# KiCad board frankenso.kicad_pcb
title: Frankenso; rev: R.04; company: http://rusefi.com/
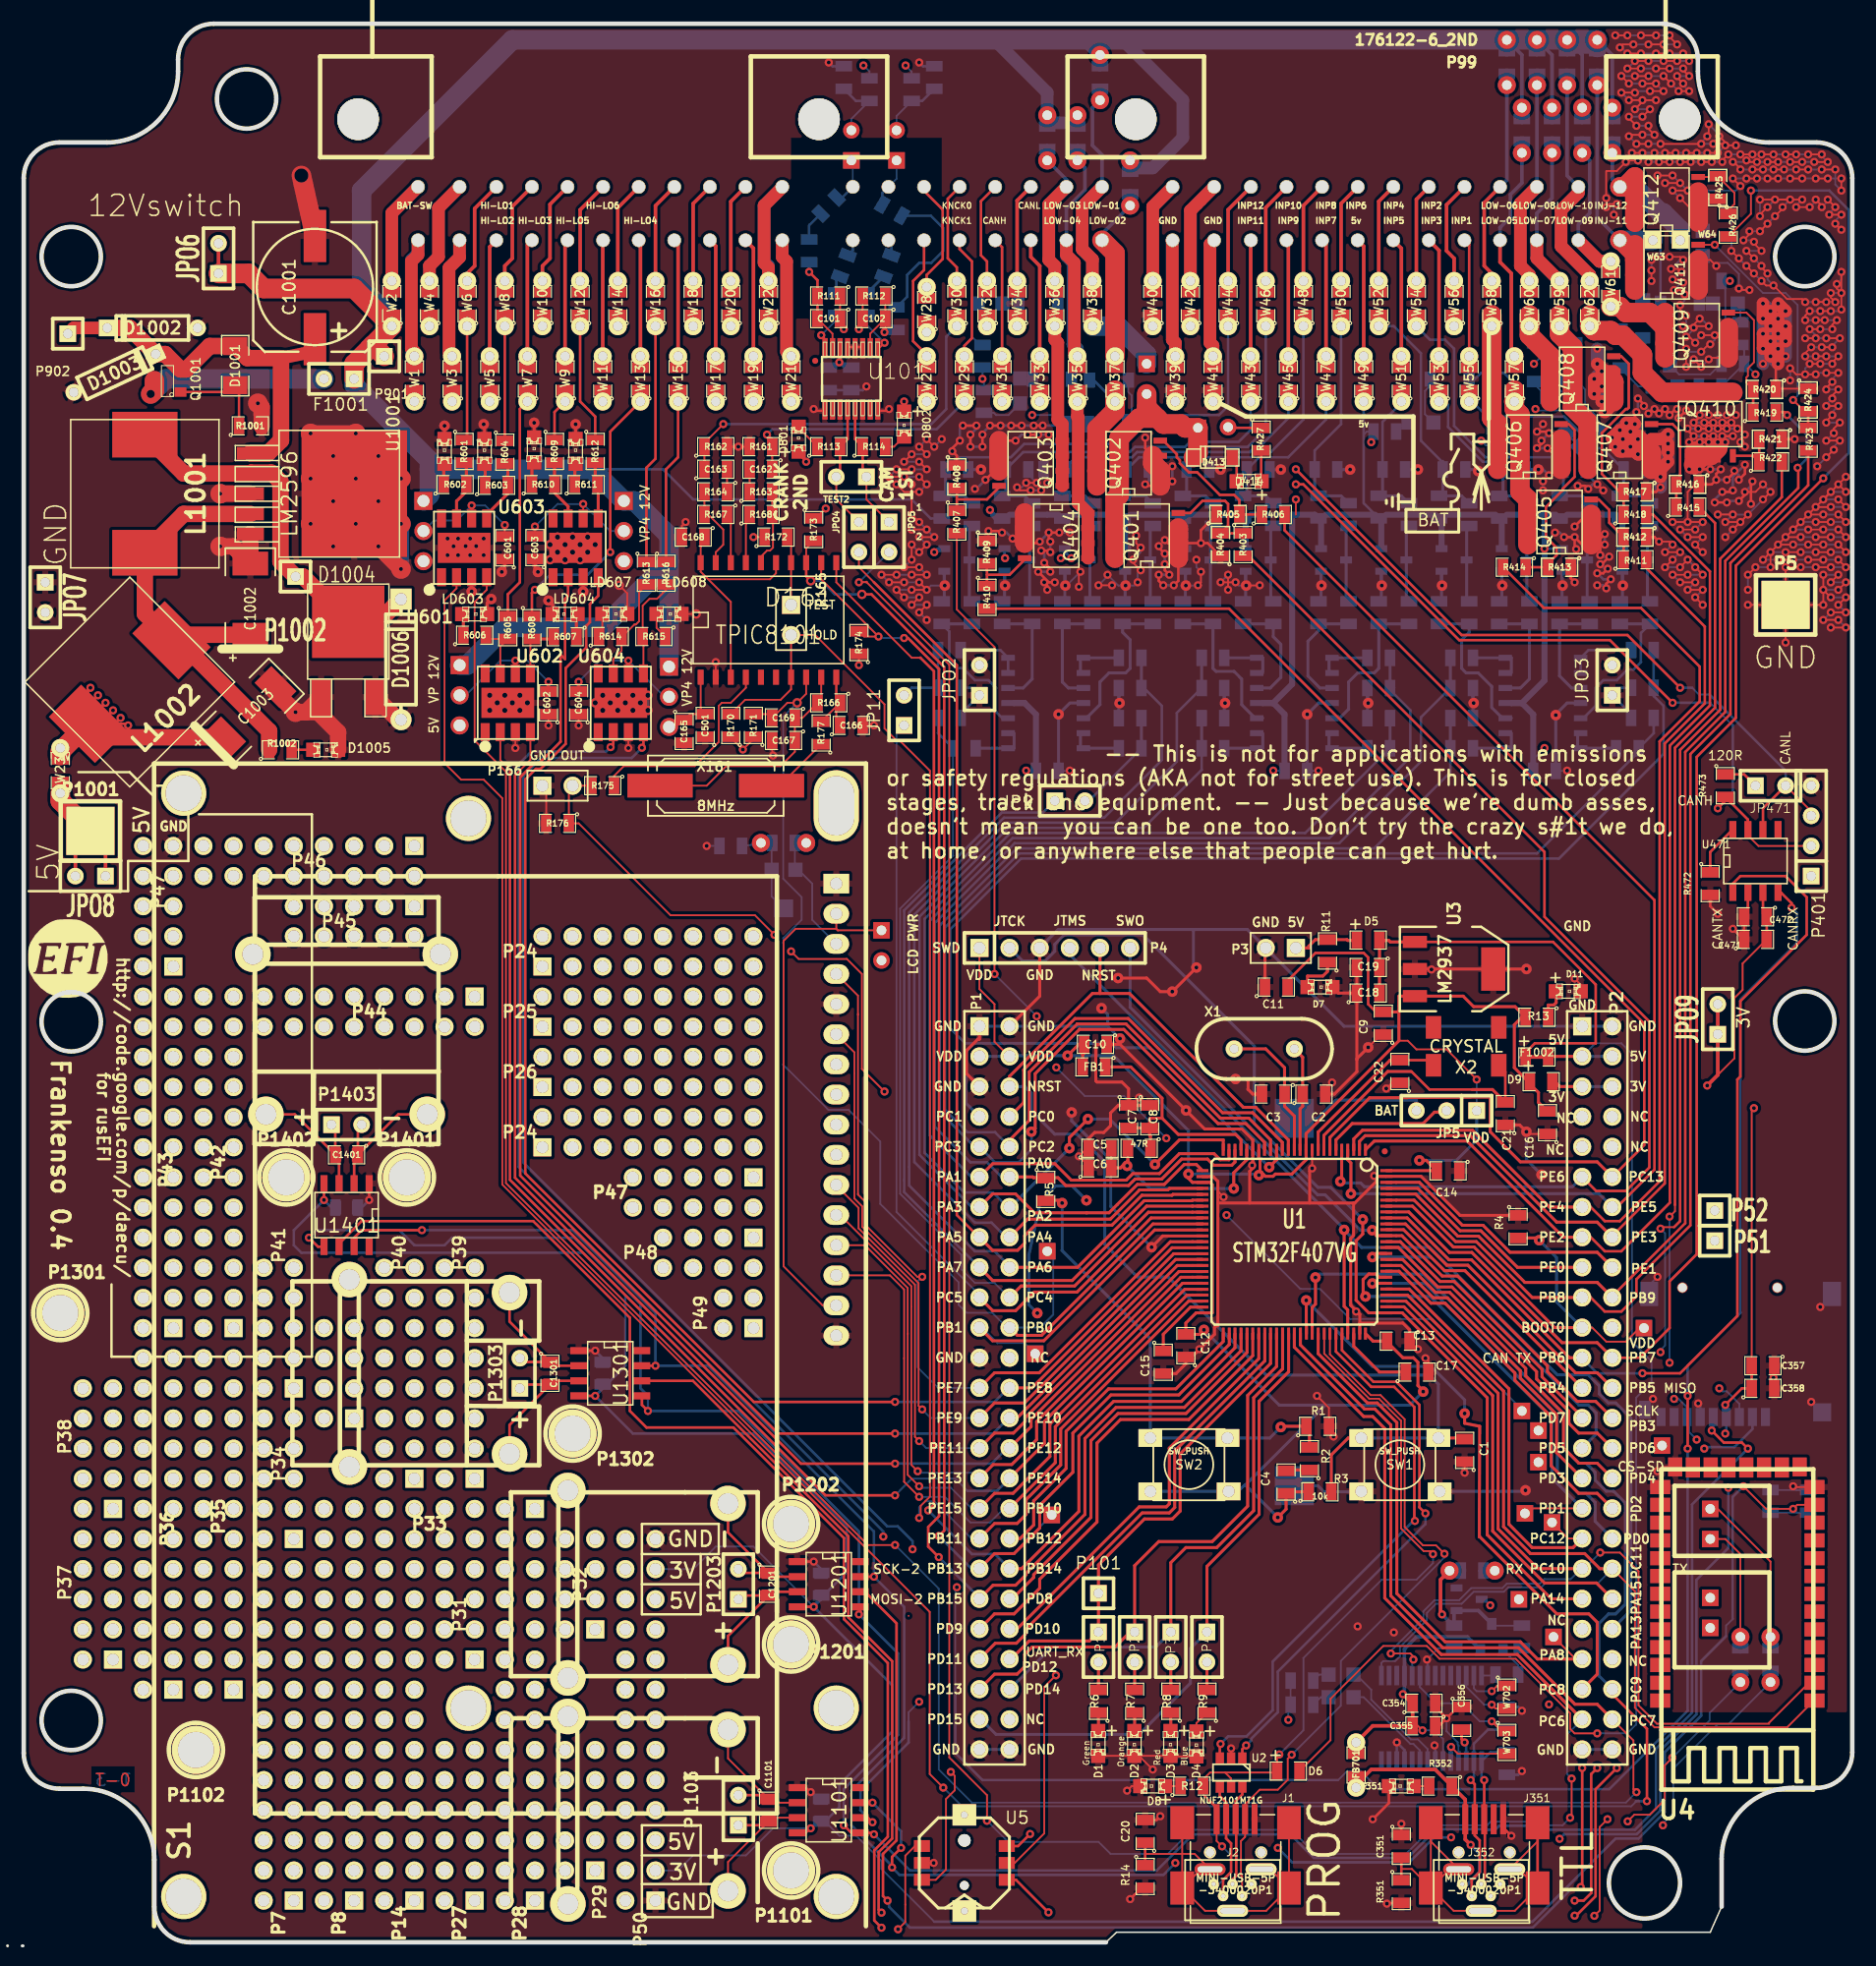
[diagram p0: board, top side]
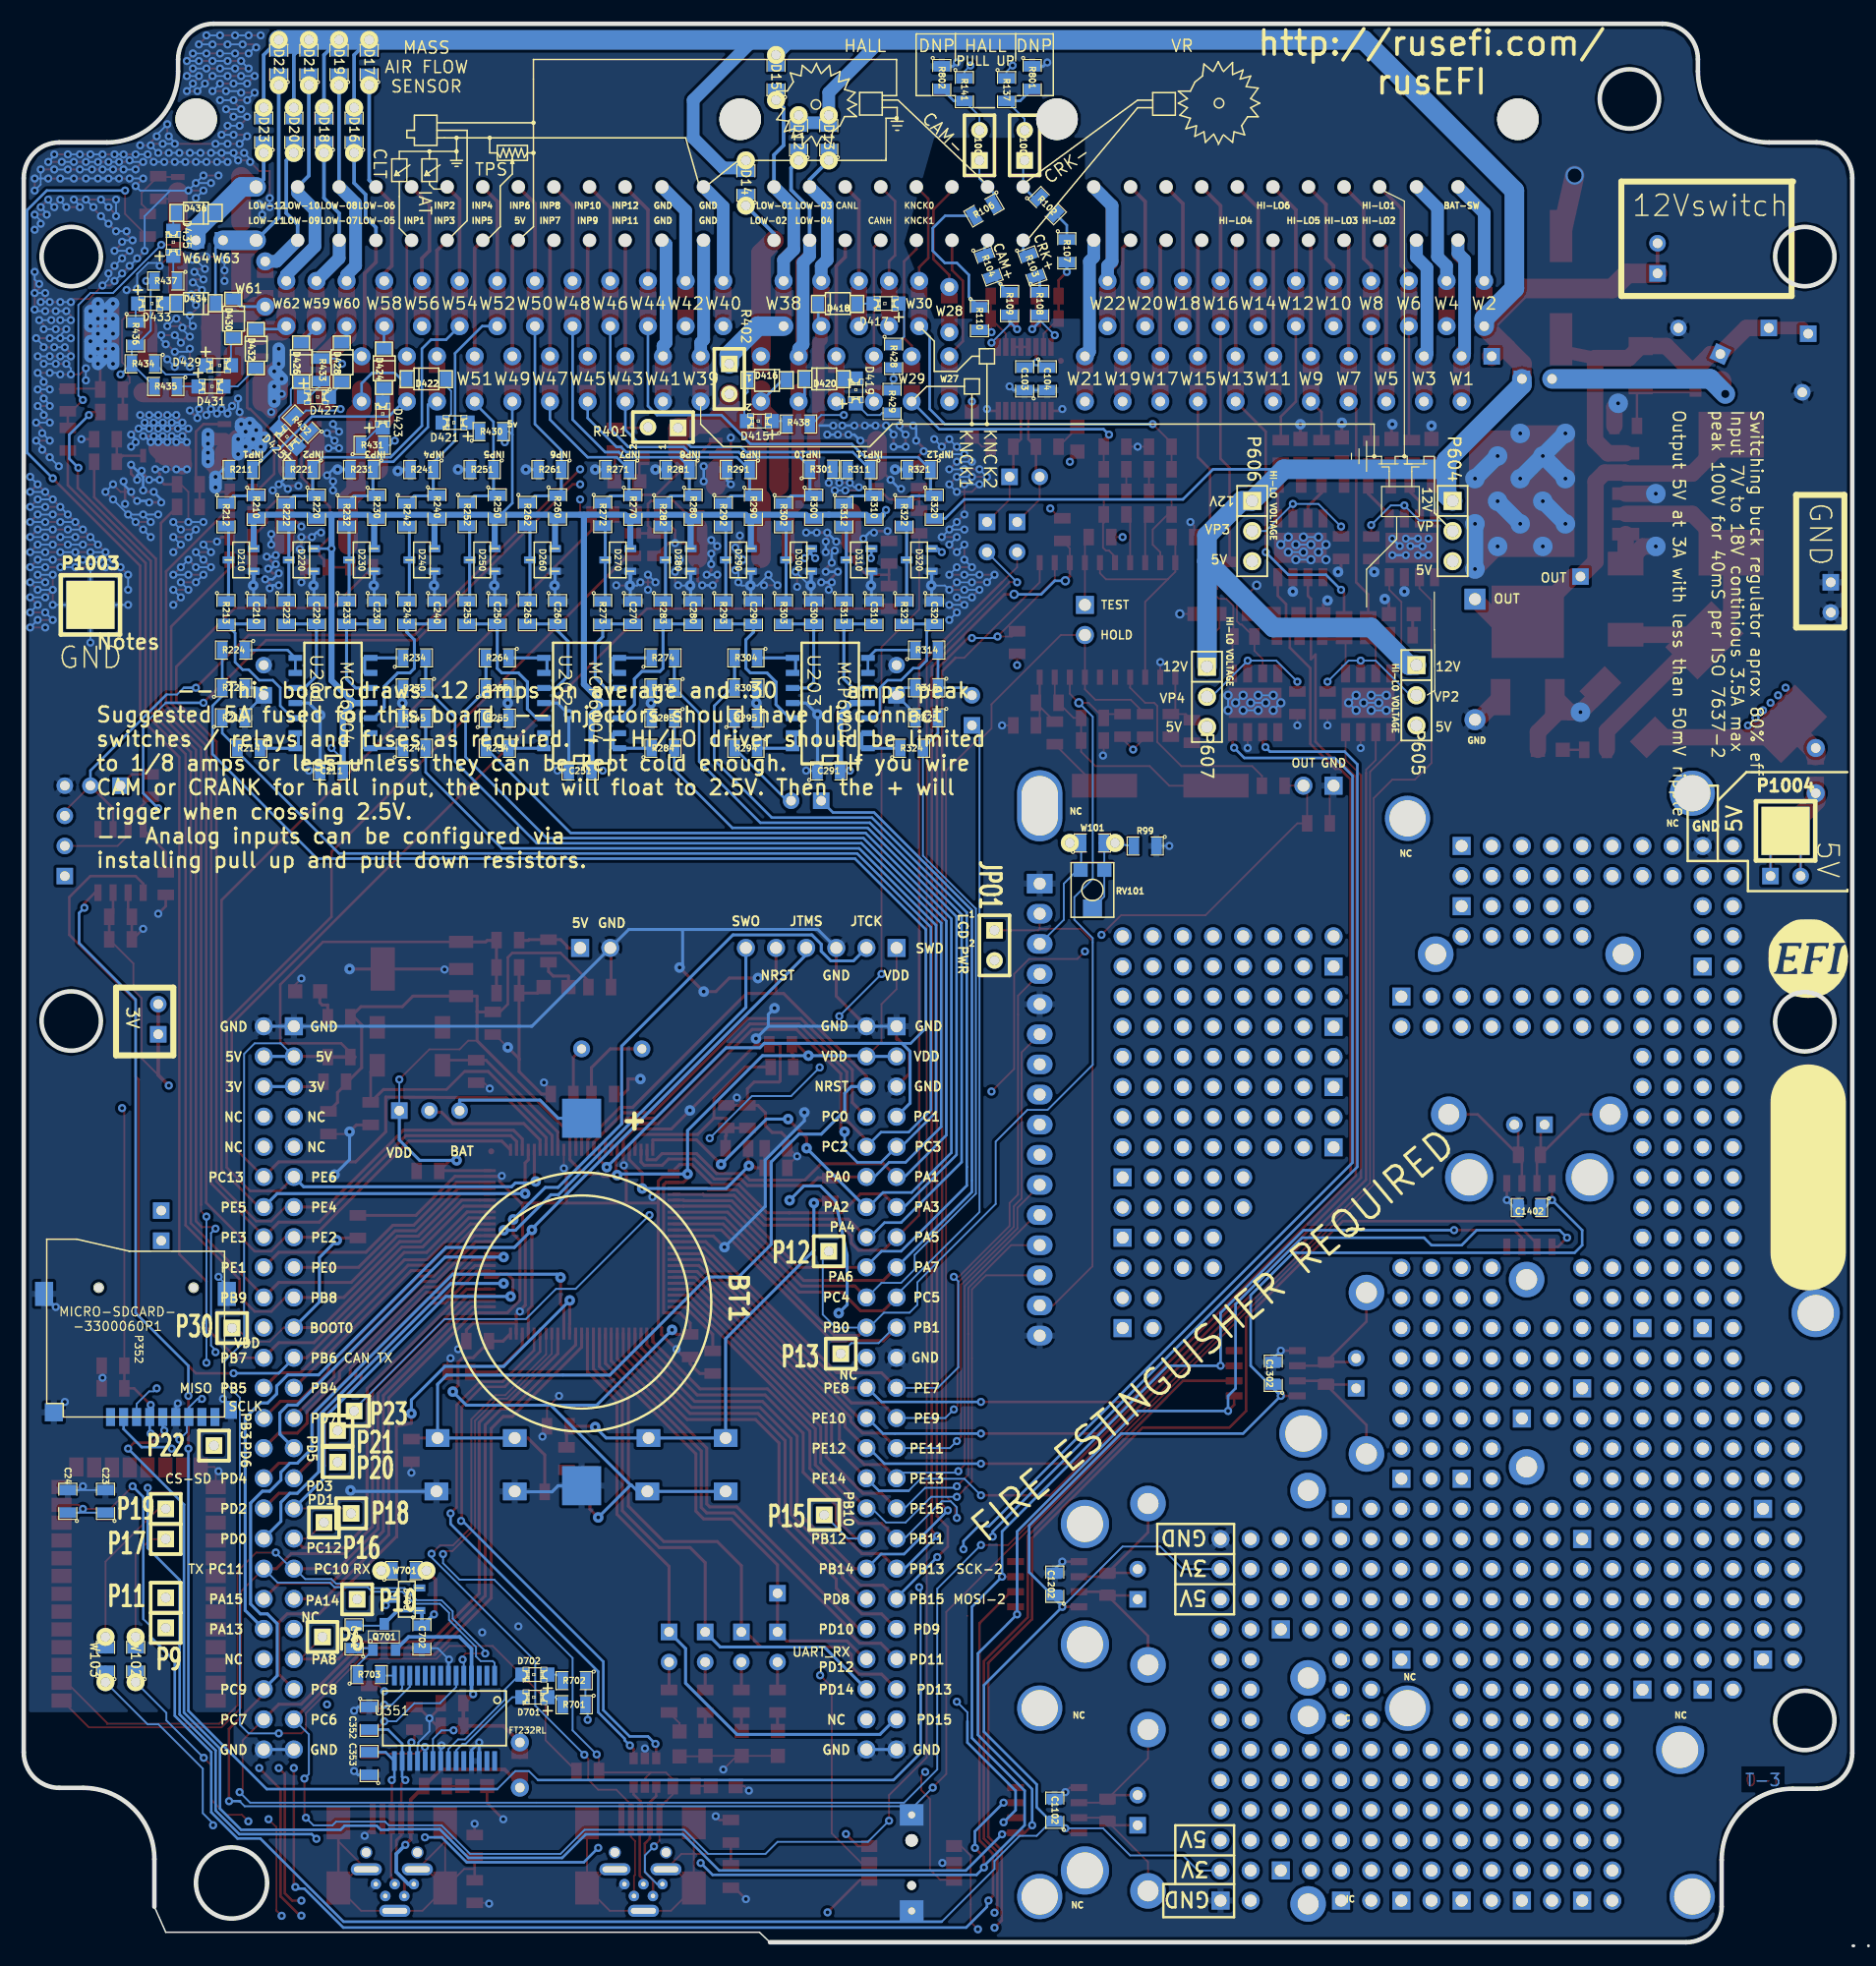
[diagram p1: board, bottom side, seen from below]

Outline 154.12 x 161.72 mm; copper layers: Top, PWR (plane), GND (plane), Bottom. Coordinates in mm from the lower left corner of the outline.
Outline path: circle c4,142.09 r2.5 ; circle c4,77.59 r2.5 ; circle c4,18.7 r2.5 ; circle c18.78,155.38 r2.5 ; circle c136.6,5 r3 ; circle c150.11,142.09 r2.5 ; circle c150.11,77.66 r2.5 ; 3,12.95 arc(0.88,13.83) 0,15.95 0,148.71 arc(0.88,150.83) 3,151.71 7.01,151.71 arc(11.25,153.47) 13.01,157.72 13.01,158.72 arc(13.89,160.84) 16.01,161.72 138.1,161.72 arc(140.23,160.84) 141.11,158.72 141.11,157.72 arc(142.87,153.47) 147.11,151.71 151.11,151.71 ; 3,12.95 5.01,12.95 arc(9.25,11.19) 11.01,6.94 11.01,3 arc(11.89,0.88) 14.01,0 91.22,0 92.11,0.85 142.15,0.85 143.11,3 143.11,7.01 arc(144.87,11.26) 149.11,13.01 151.11,13.01 arc(153.24,13.89) 154.12,16.02 154.12,148.71 arc(153.24,150.83) 151.12,151.71

## Placement (name value [footprint] x y rotation side)
BT1  BATTERY_CR2032  [BATT_CR2032_MPD]  107.09 53.97 90 bottom
C1  0.01uF  [SM0805]  121.45 41.46 90 top
C2  20pF  [SM0805]  108.75 71.5 0 top
C3  20pF  [SM0805]  105.32 71.5 180 top
C4  2u2F  [SM0805]  106.4 38.8 90 top
C5  0.01uF  [SM0805]  90.71 66.93 0 top
C6  1uF  [SM0805]  90.71 65.28 0 top
C7  1uF  [SM0805]  93.12 69.59 270 top
C8  0.01uF  [SM0805]  94.9 69.59 270 top
C9  0.1uF  [SM0805]  114.59 77.47 90 top
C10  0.1uF  [SM0805]  90.33 75.69 180 top
C11  0.1uF  [SM0805]  105.57 80.52 0 top
C12  0.1uF  [SM0805]  97.95 50.29 90 top
C13  0.1uF  [SM0805]  115.86 50.67 180 top
C14  0.1uF  [SM0805]  120.05 65.02 180 top
C15  2u2F  [SM0805]  96.05 48.89 270 top
C16  1uF  [SM0805]  128.43 69.09 90 top
C17  2u2F  [SM0805]  117.44 48.07 0 top
C18  0.1uF  [SM0805]  113.32 80.01 0 top
C19  4.7uF  [SM0805]  113.32 82.17 180 top
C20  0.1uF  [SM0805]  94.52 9.35 90 top
C21  12.5pF  [SM0805]  124.87 69.85 90 top
C22  12.5pF  [SM0805]  115.98 73.4 90 top
C23  1uF  [SM0805]  147.23 37.17 90 bottom
C24  0.1uF  [SM0805]  150.4 37.17 90 bottom
C101  1000pF  [SM0805]  67.85 136.86 180 top
C102  1000pF  [SM0805]  71.66 136.86 180 top
C103  10uF  [SM0805]  69.76 131.78 90 bottom
C104  0.1uF  [SM0805]  67.85 131.78 270 bottom
C162  .047uF  [SM0805]  62.14 124.16 180 top
C163  .047uF  [SM0805]  58.33 124.16 0 top
C165  0.1uF  [SM0805]  55.66 102.06 270 top
C166  24pF  [SM0805]  69.76 102.57 0 top
C167  24pF  [SM0805]  64.04 101.3 180 top
C168  .022uF  [SM0805]  56.42 118.45 180 top
C169  DNP  [SM0805]  64.04 103.21 180 top
C210  0.01uF  [SM0805]  134.53 112.08 270 bottom
C211  0.1uF  [SM0805]  128.18 98.74 0 bottom
C220  0.01uF  [SM0805]  129.45 112.08 270 bottom
C230  0.01uF  [SM0805]  124.37 112.08 270 bottom
C240  0.01uF  [SM0805]  119.29 112.08 270 bottom
C250  0.01uF  [SM0805]  114.21 112.08 270 bottom
C251  0.1uF  [SM0805]  107.22 98.74 0 bottom
C260  0.01uF  [SM0805]  109.13 112.08 270 bottom
C270  0.01uF  [SM0805]  102.78 112.08 270 bottom
C280  0.01uF  [SM0805]  97.7 112.08 270 bottom
C290  0.01uF  [SM0805]  92.62 112.08 270 bottom
C291  0.1uF  [SM0805]  86.27 98.74 180 bottom
C300  0.01uF  [SM0805]  87.54 112.08 270 bottom
C310  0.01uF  [SM0805]  82.46 112.08 270 bottom
C320  0.01uF  [SM0805]  77.38 112.08 270 bottom
C351  4700pF  [SM0805]  116.11 8.08 270 top
C352  47pF  [SM0805]  125 18.88 270 bottom
C353  47pF  [SM0805]  125 15.07 90 bottom
C354  4.7uF  [SM0805]  118.02 20.15 0 top
C355  0.1uF  [SM0805]  118.02 18.24 180 top
C356  0.1uF  [SM0805]  121.19 18.88 270 top
C357  0.1uF  [SM0805]  146.59 48.6 180 top
C358  4.7uF  [SM0805]  146.59 46.69 0 top
C471  0.1uF  [SM0805]  145.96 84.54 0 top
C472  4.7uF  [SM0805]  145.96 86.44 180 top
C501  4.7uF  [SM0805]  57.44 102.57 90 top
C601  0.1uF  [SM0805]  40.55 117.54 90 top
C602  0.1uF  [SM0805]  44.23 104.48 90 top
C603  0.1uF  [SM0805]  43.09 117.56 90 top
C604  0.1uF  [SM0805]  46.77 104.48 90 top
C701  0.1uF  [SM0805]  126.27 25.74 90 bottom
C702  0.1uF  [SM0805]  120.56 25.74 270 bottom
C1001  330uF 35V  [SMDSVP10]  24.54 139.53 90 top
C1002  220uF 16V  [SM2512]  19.1 113.22 90 top
C1003  220uF 16V  [SM2512]  19.1 103.69 45 top
C1101  10nF  [SM0805-SM0603]  62.77 11.13 270 top
C1102  100nF  [SM0805-SM0603]  67.22 11.13 90 bottom
C1201  10nF  [SM0805-SM0603]  62.77 30.18 270 top
C1202  100nF  [SM0805-SM0603]  67.22 30.18 90 bottom
C1301  10nF  [SM0805-SM0603]  44.36 47.96 270 top
C1302  100nF  [SM0805-SM0603]  48.8 47.96 90 bottom
C1401  10nF  [SM0805-SM0603]  27.21 66.38 180 top
C1402  100nF  [SM0805-SM0603]  27.21 61.93 0 bottom
D1  LED-grn  [LED-0805_A]  90.56 16.76 270 top
D2  LED-org  [LED-0805_A]  93.61 16.76 270 top
D3  LED-red  [LED-0805_A]  96.65 16.76 270 top
D4  LED-blu  [LED-0805_A]  98.84 16.72 270 top
D5  DIODESCH  [SM0805-diode]  113.32 84.48 0 top
D6  DIODESCH  [SM0805-diode]  106.59 14.43 0 top
D7  LED-grn  [LED-0805_A]  109.25 80.52 0 top
D8  LED-grn  [LED-0805_A]  95.16 13.16 180 top
D9  DIODESCH  [SM0805-diode]  127.9 72.54 0 top
D11  LED-grn  [LED-0805_A]  130.18 80.16 0 top
D12  DIODESCH  [SM0805_jumper]  88.81 152.1 90 bottom
D13  DIODESCH  [SM0805_jumper]  86.27 152.1 90 bottom
D14  DIODESCH  [SM0805_jumper]  93.25 148.29 90 bottom
D15  DIODESCH  [SM0805_jumper]  90.71 157.18 90 bottom
D16  DIODESCH  [SM0805_jumper]  126.27 152.74 90 bottom
D17  DIODESCH  [SM0805_jumper]  125 158.45 90 bottom
D18  DIODESCH  [SM0805_jumper]  128.81 152.74 90 bottom
D19  DIODESCH  [SM0805_jumper]  127.54 158.45 90 bottom
D20  DIODESCH  [SM0805_jumper]  131.35 152.74 90 bottom
D21  DIODESCH  [SM0805_jumper]  130.08 158.45 90 bottom
D22  DIODESCH  [SM0805_jumper]  132.62 158.45 90 bottom
D23  DIODESCH  [SM0805_jumper]  133.89 152.74 90 bottom
D161  TPIC8101  [SO20L]  62.77 111.46 0 top
D210  DOUBLE_SCHOTTKY  [sot23]  135.8 116.52 90 bottom
D220  DOUBLE_SCHOTTKY  [sot23]  130.72 116.52 90 bottom
D230  DOUBLE_SCHOTTKY  [sot23]  125.64 116.52 90 bottom
D240  DOUBLE_SCHOTTKY  [sot23]  120.56 116.52 90 bottom
D250  DOUBLE_SCHOTTKY  [sot23]  115.48 116.52 90 bottom
D260  DOUBLE_SCHOTTKY  [sot23]  110.4 116.52 90 bottom
D270  DOUBLE_SCHOTTKY  [sot23]  104.05 116.52 90 bottom
D280  DOUBLE_SCHOTTKY  [sot23]  98.97 116.52 90 bottom
D290  DOUBLE_SCHOTTKY  [sot23]  93.89 116.52 90 bottom
D300  DOUBLE_SCHOTTKY  [sot23]  88.81 116.52 90 bottom
D310  DOUBLE_SCHOTTKY  [sot23]  83.73 116.52 90 bottom
D320  DOUBLE_SCHOTTKY  [sot23]  78.65 116.52 90 bottom
D351  LED-grn  [LED-0805_A]  116.11 13.16 180 top
D413  DIODE  [SOD-123]  100.24 125.18 180 top
D414  LED-red  [LED-0805_A]  103.28 123.15 180 top
D415  LED-red  [LED-0805_A]  92.11 128.23 0 bottom
D416  DIODE  [SOD-123]  91.47 131.66 180 bottom
D417  LED-red  [LED-0805_A]  81.44 138.13 0 bottom
D418  DIODE  [SOD-123]  85.5 138.13 0 bottom
D419  LED-red  [LED-0805_A]  83.98 130.77 90 bottom
D420  DIODE  [SOD-123]  86.65 131.78 0 bottom
D421  LED-red  [LED-0805_A]  117.76 128.1 0 bottom
D422  DIODE  [SOD-123]  120.18 131.78 0 bottom
D423  LED-red  [LED-0805_A]  123.86 128.73 90 bottom
D424  DIODE  [SOD-123]  123.73 132.67 90 bottom
D425  LED-red  [LED-0805_A]  131.86 126.83 45 bottom
D426  DIODE  [SOD-123]  130.72 133.18 90 bottom
D427  LED-red  [LED-0805_A]  129.45 130.26 180 bottom
D428  DIODE  [SOD-123]  127.29 133.18 90 bottom
D429  LED-red  [LED-0805_A]  137.7 132.93 180 bottom
D430  DIODE  [SOD-123]  136.43 136.86 90 bottom
D431  LED-red  [LED-0805_A]  138.34 131.15 180 bottom
D432  DIODE  [SOD-123]  134.53 134.32 90 bottom
D433  LED-red  [LED-0805_A]  143.42 138.13 180 bottom
D434  DIODE  [SOD-123]  139.61 138.13 180 bottom
D435  LED-red  [LED-0805_A]  141.51 143.21 90 bottom
D436  DIODE  [SOD-123]  139.61 145.75 180 bottom
D701  LED-grn  [LED-0805_A]  111.03 20.66 0 bottom
D702  LED-grn  [LED-0805_A]  111.03 22.56 0 bottom
D703  DOUBLE_SCHOTTKY  [sot23]  121.83 28.91 90 bottom
D801  LED-red  [LED-0805_A]  65.31 126.7 90 top
D802  LED-red  [LED-0805_A]  74.2 127.97 270 top
D1001  ZENERSMALL  [SM1206]  17.83 132.9 90 top
D1002  TVS  [D3]  10.84 136.08 180 top
D1003  TVS  [D3]  7.67 132.27 25 top
D1004  SCHDPAK  [DPAK2]  27.35 104.96 0 top
D1005  LED-grn  [LED-0805]  25.45 100.52 0 top
D1006  DIODESCH  [D4]  31.8 108.14 90 top
F1001  3.5A  [SIL-2]  26.58 131.78 180 top
F1002  FUSE  [SM0805-diode]  127.54 74.62 0 top
FB1  FILTER  [SM0805]  90.2 73.78 180 top
FB701  FILTER  [SM0805_jumper]  112.3 14.94 90 top
G1  LOGO  [LOGO_F]  3.72 82.89 0 bottom
G2  -  [LOGO]  3.72 82.89 0 top
J1  -  [MINI-USB-5P-3400020P1]  102.14 6.18 0 top
J2  MINI-USB-5P-3400020P1V  [MINI-USB_RCTP_V-T_B]  101.89 4.4 0 top
J351  -  [MINI-USB-5P-3400020P1]  123.1 6.18 0 top
J352  MINI-USB-5P-3400020P1V  [MINI-USB_RCTP_V-T_B]  122.84 4.4 0 top
JP1  JUMPER  [JUMPER-2]  90.58 24.89 270 top
JP2  JUMPER  [JUMPER-2]  93.63 24.89 270 top
JP3  JUMPER  [JUMPER-2]  96.68 24.89 270 top
JP4  JUMPER  [JUMPER-2]  99.73 24.89 270 top
JP5  JUMPER3  [SIL-3]  119.92 70.1 180 top
JP9  TEST-AN  [SIL-2]  88.17 96.22 0 top
JP11  TEST-AN  [SIL-2]  74.2 103.84 90 top
JP471  JUMPER  [JUMPER-2]  147.23 97.49 0 top
JPO1  TEST-LCD  [SIL-2]  72.3 84.03 270 bottom
JPO2  TEST-gnd  [SIL-2]  80.55 106.38 90 top
JPO3  TEST-gnd  [SIL-2]  133.89 106.38 90 top
JPO4  TEST-CRK  [SIL-2]  70.39 118.45 270 top
JPO5  TEST-CAM  [SIL-2]  72.93 118.45 270 top
JPO6  TEST-gnd  [SIL-2]  16.42 141.94 90 top
JPO7  TEST-gnd  [SIL-2]  1.81 113.37 270 top
JPO8  TEST-gnd  [SIL-2]  5.62 89.87 180 top
JPO9  TEST-gnd  [SIL-2]  142.78 77.81 90 top
L1001  38uH  [SM100uH]  10.21 122.11 270 top
L1002  38uH  [SM100uH]  8.94 106.23 225 top
LD601  LED-blu  [LED-0805]  35.47 125.67 90 top
LD602  LED-blu  [LED-0805]  38.83 125.67 90 top
LD603  LED-blu  [LED-0805]  38.01 111.96 0 top
LD604  LED-blu  [LED-0805]  45.63 111.96 180 top
LD605  LED-blu  [LED-0805]  43.02 125.8 90 top
LD606  LED-blu  [LED-0805]  46.52 125.67 90 top
LD607  LED-blu  [LED-0805]  49.82 111.97 0 top
LD608  LED-blu  [LED-0805]  54.39 111.97 0 top
P1  CONN_25X2  [PIN_ARRAY_25x2_A]  81.82 46.73 270 top
P2  CONN_25X2  [PIN_ARRAY_25x2_A]  132.62 46.73 270 top
P3  CONN_2  [PIN_ARRAY_2_A]  105.95 83.82 180 top
P4  CONN_6  [PIN_ARRAY-6X1]  86.9 83.82 0 top
P5  CONN_1  [1PIN_SMD]  148.5 112.73 0 top
P6  CONN_1  [SIL-1]  128.94 25.74 0 bottom
P7  -  [pin_array_12x2]  21.5 17.48 90 top
P8  -  [pin_array_12x2]  26.58 17.48 90 top
P9  CONN_1  [SIL-1]  142.15 26.5 0 bottom
P10  CONN_1  [SIL-1]  126.02 28.91 0 bottom
P11  CONN_1  [SIL-1]  142.15 29.04 0 bottom
P12  CONN_1  [SIL-1]  86.27 58.25 0 bottom
P13  CONN_1  [SIL-1]  85.25 49.61 0 bottom
P14  -  [pin_array_12x2]  31.66 17.48 90 top
P15  CONN_1  [SIL-1]  86.65 36.02 0 bottom
P16  CONN_1  [SIL-1]  128.81 35.39 0 bottom
P17  CONN_1  [SIL-1]  142.15 33.99 0 bottom
P18  CONN_1  [SIL-1]  126.53 36.15 0 bottom
P19  CONN_1  [SIL-1]  142.15 36.53 0 bottom
P20  CONN_1  [SIL-1]  127.67 40.47 0 bottom
P21  CONN_1  [SIL-1]  127.67 43.14 0 bottom
P22  CONN_1  [SIL-1]  138.08 41.87 0 bottom
P23  CONN_1  [SIL-1]  126.27 44.79 0 bottom
P24  -  [pin_array_8x2]  52.61 83.52 0 top
P24#2  -  [pin_array_8x2]  52.61 68.28 0 top
P25  -  [pin_array_8x2]  52.61 78.44 0 top
P26  -  [pin_array_8x2]  52.61 73.36 0 top
P27  CONN_6X2  [pin_array_6x2]  36.74 9.86 90 top
P28  CONN_12X2  [pin_array_12x2]  41.82 17.48 90 top
P29  CONN_5X2  [PIN_ARRAY_5x2]  46.9 11.13 90 top
P30  CONN_1  [SIL-1]  136.56 51.77 0 bottom
P31  CONN_4X2  [pin_array_4x2]  36.74 27.64 90 top
P32  CONN_4X2  [pin_array_4x2]  46.9 30.18 90 top
P33  CONN_8X2  [pin_array_8x2]  34.2 35.26 180 top
P34  CONN_5X2  [PIN_ARRAY_5x2]  21.5 39.07 90 top
P35  CONN_12X2  [pin_array_12x2]  16.42 35.26 90 top
P36  CONN_12X2  [pin_array_12x2]  11.34 35.26 90 top
P37  CONN_5X2  [PIN_ARRAY_5x2]  6.26 28.91 90 top
P38  CONN_5X2  [PIN_ARRAY_5x2]  6.26 41.61 90 top
P39  CONN_8X2  [pin_array_8x2]  36.74 47.96 90 top
P40  CONN_8X2  [pin_array_8x2]  31.66 47.96 90 top
P41  CONN_5X2  [PIN_ARRAY_5x2]  21.5 51.77 90 top
P42  CONN_12X2  [pin_array_12x2]  16.42 65.74 90 top
P43  CONN_12X2  [pin_array_12x2]  11.34 65.74 90 top
P44  CONN_8X2  [pin_array_8x2]  29.12 78.44 180 top
P45  CONN_5X2  [PIN_ARRAY_5x2]  27.85 86.06 180 top
P46  CONN_8X2  [pin_array_8x2]  24.04 91.14 180 top
P47  CONN_5X2  [PIN_ARRAY_5x2]  11.34 87.33 90 top
P48  CONN_4X2  [pin_array_4x2]  57.69 58.12 180 top
P49  CONN_2X2  [PIN_ARRAY_2X2]  60.23 53.04 90 top
P50  CONN_13X2  [pin_array_13x2]  51.98 18.75 90 top
P51  CONN_1  [SIL-1]  142.53 59.14 0 top
P52  CONN_1  [SIL-1]  142.53 61.68 0 top
P99  176122-6_2ND  [176122-6_2nd]  142.78 143.47 0 top
P101  CONN_1  [SIL-1]  90.58 29.42 0 top
P165  CONN_2  [PIN_ARRAY_2X1]  64.68 111.46 270 top
P166  CONN_2  [PIN_ARRAY_2X1]  44.99 97.49 0 top
P352  -  [MICRO-SDCARD-CONNECTOR-3300060P1]  144.69 51.77 90 bottom
P401  CONN_4  [SIL-4]  150.66 93.68 90 top
P604  CONN_3  [PIN_ARRAY_3X1]  33.69 118.96 270 bottom
P605  CONN_3  [PIN_ARRAY_3X1]  36.74 105.11 270 bottom
P606  CONN_3  [PIN_ARRAY_3X1]  50.58 118.96 270 bottom
P607  CONN_3  [PIN_ARRAY_3X1]  54.39 104.99 270 bottom
P901  CONN_1  [SIL-1]  30.39 133.69 0 top
P902  CONN_1  [SIL-1]  3.72 135.59 0 top
P1001  CONN_1  [1PIN_SMD]  5.62 93.68 0 top
P1002  CONN_1  [SIL-1]  22.91 115.12 0 top
P1003  CONN_1  [1PIN_SMD]  148.5 112.73 180 bottom
P1004  CONN_1  [1PIN_SMD]  5.62 93.68 0 bottom
P1101  CONN_1  [1pin]  64.68 6.05 0 top
P1102  CONN_1  [1pin]  14.51 16.21 0 top
P1103  CONN_2  [SIL-2]  60.23 11.13 90 top
P1104  CONN_2  [tcpl_PCC-SMP]  52.61 11.13 180 top
P1201  CONN_1  [1pin]  64.68 25.1 0 top
P1202  CONN_1  [1pin]  64.68 35.26 0 top
P1203  CONN_2  [SIL-2]  60.23 30.18 90 top
P1204  CONN_2  [tcpl_PCC-SMP]  52.61 30.18 180 top
P1301  CONN_1  [1pin]  3.08 53.04 0 top
P1302  CONN_1  [1pin]  46.26 42.88 0 top
P1303  CONN_2  [SIL-2]  41.82 47.96 90 top
P1304  CONN_2  [tcpl_PCC-SMP]  34.2 47.96 180 top
P1401  CONN_1  [1pin]  32.29 64.47 0 top
P1402  CONN_1  [1pin]  22.13 64.47 0 top
P1403  CONN_2  [SIL-2]  27.21 68.92 0 top
P1404  CONN_2  [tcpl_PCC-SMP]  27.21 76.54 90 top
PIN_ARRAY_4X2  Val**  [pin_array_4x2]  26.58 47.96 90 top
PIN_ARRAY_5X2  P47  [PIN_ARRAY_5x2]  56.42 63.2 180 top
Q401  OVP_DRIVER  [SO8E_ST]  94.65 118.57 90 top
Q402  OVP_DRIVER  [SO8E_ST]  93.12 124.67 90 top
Q403  OVP_DRIVER  [SO8E_ST]  84.87 124.67 270 top
Q404  OVP_DRIVER  [SO8E_ST]  87.03 118.57 270 top
Q405  OVP_DRIVER  [SO8E_ST]  129.45 119.72 90 top
Q406  OVP_DRIVER  [SO8E_ST]  126.91 126.07 90 top
Q407  OVP_DRIVER  [SO8E_ST]  134.53 126.07 90 top
Q408  OVP_DRIVER  [SO8E_ST]  131.35 131.78 90 top
Q409  OVP_DRIVER  [SO8E_ST]  141 135.47 90 top
Q410  OVP_DRIVER  [SO8E_ST]  142.15 127.97 0 top
Q411  OVP_DRIVER  [SO8E_ST]  138.46 141.18 90 top
Q412  OVP_DRIVER  [SO8E_ST]  138.46 146.9 90 top
Q701  MOS_PRO  [SOT23]  123.73 25.74 180 bottom
Q1001  MOS_PRO  [SOT23]  12.11 131.63 90 top
R1  10k  [SM0805]  109.06 43.49 0 top
R2  100  [SM0805]  108.36 40.76 90 top
R3  10k  [SM0805]  109.25 37.97 0 top
R4  10k  [SM0805]  125.95 60.32 270 top
R5  330R  [SM0805]  86.14 63.46 270 top
R6  680R  [SM0805]  90.58 20.32 90 top
R7  680R  [SM0805]  93.63 20.32 90 top
R8  680R  [SM0805]  96.68 20.32 90 top
R9  680R  [SM0805]  99.73 20.32 90 top
R10  47R  [SM0805]  94.01 66.93 180 top
R11  1k  [SM0805]  109.89 83.56 90 top
R12  1k  [SM0805]  98.46 13.16 0 top
R13  1k  [SM0805]  127.54 77.98 180 top
R14  100k  [SM0805]  94.52 5.54 270 top
R99  1k  [SM0805]  59.6 92.41 0 bottom
R102  5k  [SM0805]  67.85 146.39 225 bottom
R103  5k  [SM0805]  69.12 141.31 250 bottom
R104  5k  [SM0805]  72.8 141.31 250 bottom
R106  5k  [SM0805]  73.19 146.01 330 bottom
R107  5k  [SM0805]  66.2 142.58 270 bottom
R108  5k  [SM0805]  68.49 138.13 270 bottom
R109  5k  [SM0805]  71.03 138.13 270 bottom
R110  5k  [SM0805]  73.57 136.86 270 bottom
R111  5k  [SM0805]  67.85 138.77 180 top
R112  5k  [SM0805]  71.66 138.77 180 top
R113  10k  [SM0805]  67.85 126.07 0 top
R114  10k  [SM0805]  71.66 126.07 0 top
R137  1K  [SM0805]  71.28 156.17 270 bottom
R141  1K  [SM0805]  74.84 156.17 270 bottom
R161  1M  [SM0805]  62.14 126.07 180 top
R162  1M  [SM0805]  58.33 126.07 0 top
R163  10k  [SM0805]  62.14 122.26 0 top
R164  10k  [SM0805]  58.33 122.26 180 top
R166  2M  [SM0805]  67.85 104.48 180 top
R167  68k  [SM0805]  58.33 120.35 180 top
R168  68k  [SM0805]  62.14 120.35 0 top
R170  1K  [SM0805]  59.6 102.57 90 top
R171  DNP  [SM0805]  61.5 102.57 90 top
R172  1K  [SM0805]  63.41 118.45 0 top
R173  1K  [SM0805]  66.58 119.08 270 top
R174  1K  [SM0805]  70.39 109.56 90 top
R175  10k  [SM0805]  48.8 97.49 180 top
R176  10k  [SM0805]  44.99 94.32 180 top
R177  820R  [SM0805]  67.22 101.94 90 top
R210  2700  [SM0805]  134.53 120.97 270 bottom
R211  dnp  [SM0805]  135.8 124.14 0 bottom
R212  10k  [SM0805]  137.07 120.33 270 bottom
R213  100  [SM0805]  137.07 112.08 270 bottom
R214  1500 .1%  [SM0805]  135.16 100.65 0 bottom
R215  1500 .1%  [SM0805]  136.43 103.21 180 bottom
R220  2700  [SM0805]  129.45 120.97 270 bottom
R221  dnp  [SM0805]  130.72 124.14 0 bottom
R222  10k  [SM0805]  131.99 120.33 270 bottom
R223  100  [SM0805]  131.99 112.08 270 bottom
R224  1500 .1%  [SM0805]  136.43 108.92 0 bottom
R225  1500 .1%  [SM0805]  136.43 105.75 180 bottom
R230  dnp  [SM0805]  124.37 120.97 270 bottom
R231  500K  [SM0805]  125.64 124.14 0 bottom
R232  10k  [SM0805]  126.91 120.33 270 bottom
R233  100  [SM0805]  126.91 112.08 270 bottom
R234  1500 .1%  [SM0805]  121.19 108.27 180 bottom
R235  1500 .1%  [SM0805]  121.19 105.73 0 bottom
R240  dnp  [SM0805]  119.29 120.99 270 bottom
R241  500K  [SM0805]  120.56 124.14 0 bottom
R242  10k  [SM0805]  121.83 120.33 270 bottom
R243  100  [SM0805]  121.83 112.08 270 bottom
R244  1500 .1%  [SM0805]  121.19 100.65 180 bottom
R245  1500 .1%  [SM0805]  121.19 103.19 0 bottom
R250  dnp  [SM0805]  114.21 120.99 270 bottom
R251  500K  [SM0805]  115.48 124.14 0 bottom
R252  10k  [SM0805]  116.75 120.35 270 bottom
R253  100  [SM0805]  116.75 112.08 270 bottom
R254  1500 .1%  [SM0805]  114.21 100.65 0 bottom
R255  1500 .1%  [SM0805]  114.21 103.19 180 bottom
R260  10k  [SM0805]  109.13 120.99 270 bottom
R261  dnp  [SM0805]  109.76 124.14 0 bottom
R262  10k  [SM0805]  111.67 120.35 270 bottom
R263  100  [SM0805]  111.67 112.08 270 bottom
R264  1500 .1%  [SM0805]  114.21 108.27 0 bottom
R265  1500 .1%  [SM0805]  114.21 105.73 180 bottom
R270  dnp  [SM0805]  102.78 120.97 270 bottom